# Altium PCB CatsPi-Dev-Board-using-CM4.PcbDoc (part 1 of 2)
Units mm, origin at the board's own origin, x right, y up, seen from the top; angles counter-clockwise.
Board outline 85 x 56 mm, 4 copper layers (Top Layer, GND, Power, Bottom Layer), stack 1.57 mm thick; 86 components, 97 nets, 561 pads, 447 vias.
Unrouted connection lines stored in the file: 3.
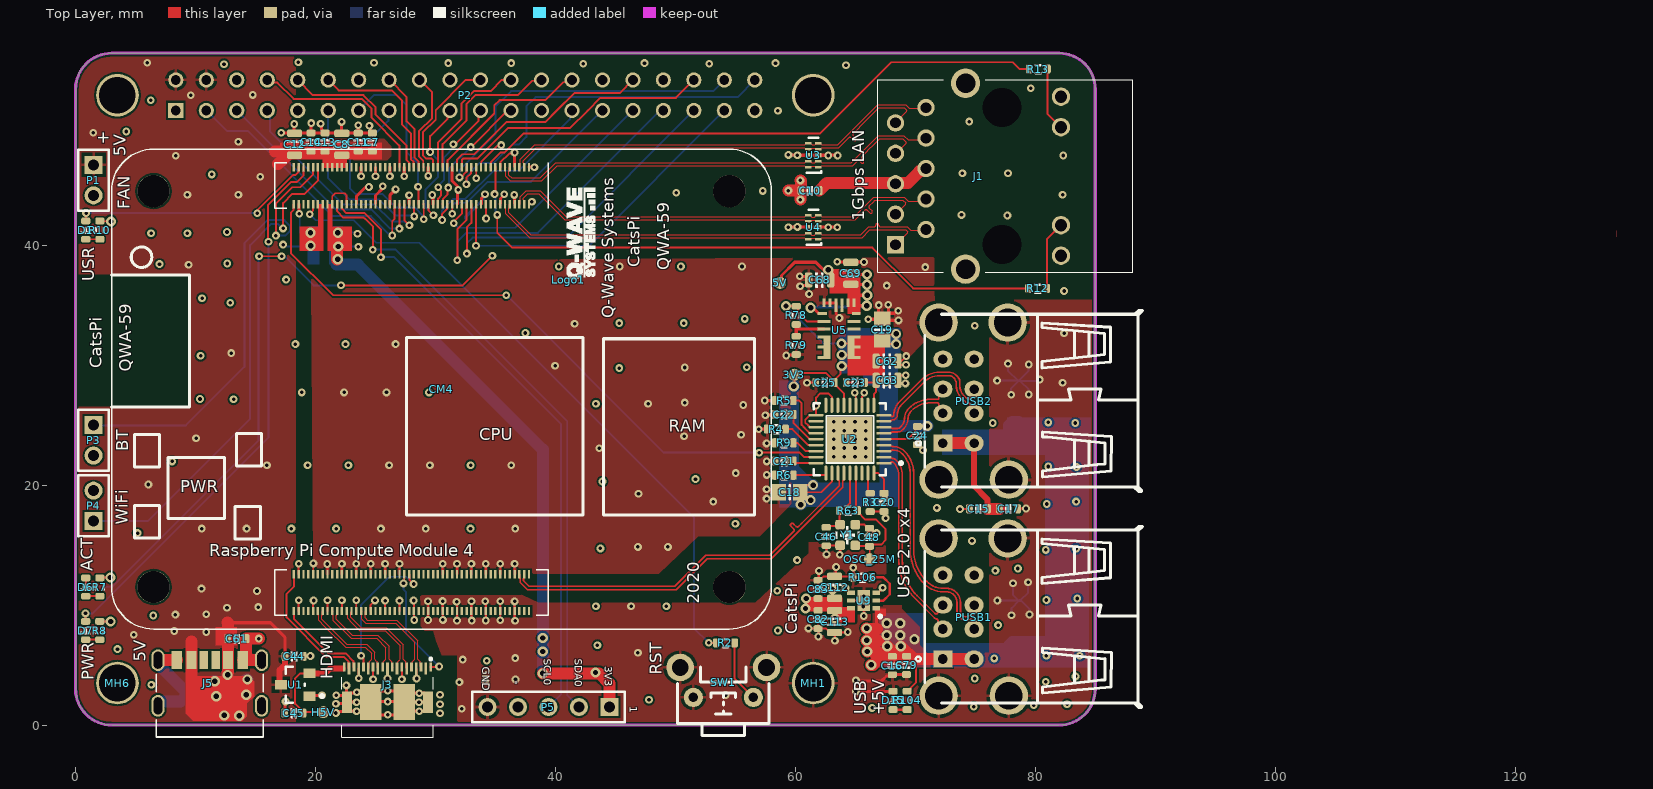
[diagram p0: Top Layer view]
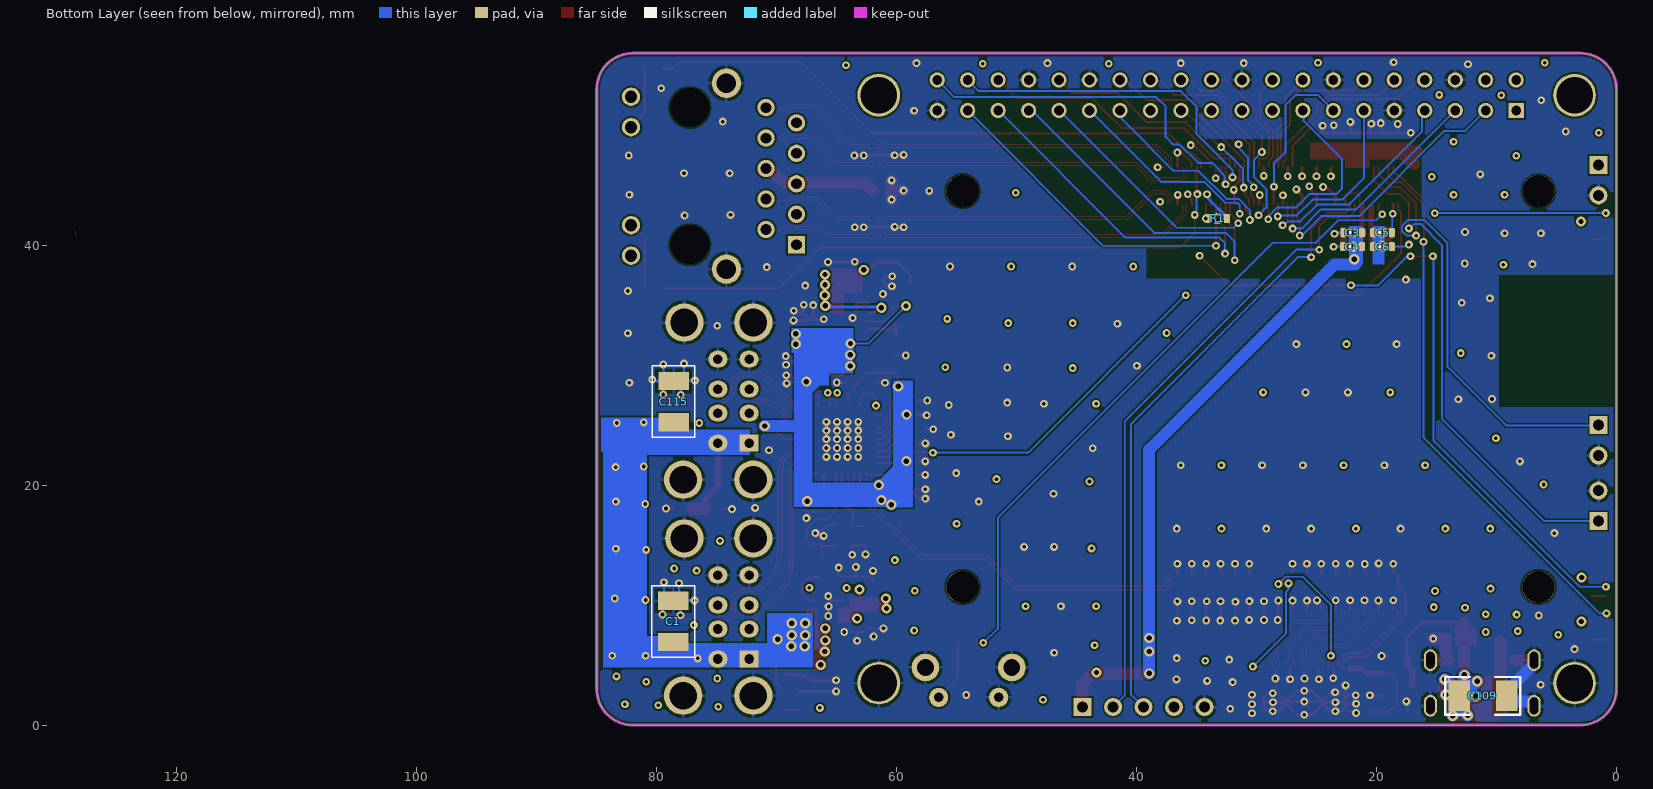
[diagram p1: Bottom Layer view, seen from below]
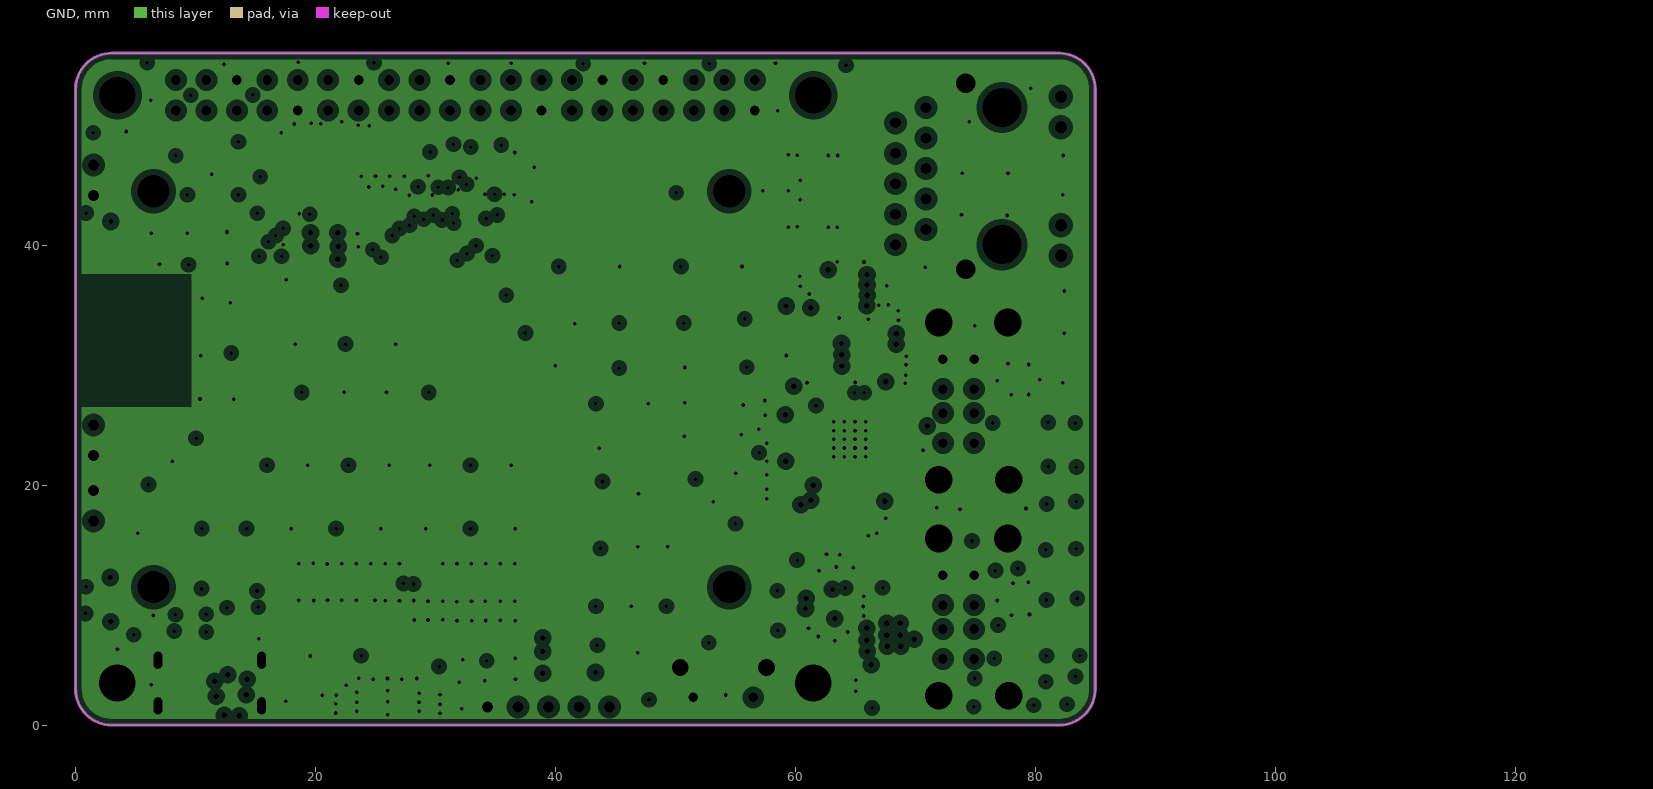
[diagram p2: GND, clearances drawn from the general rule]
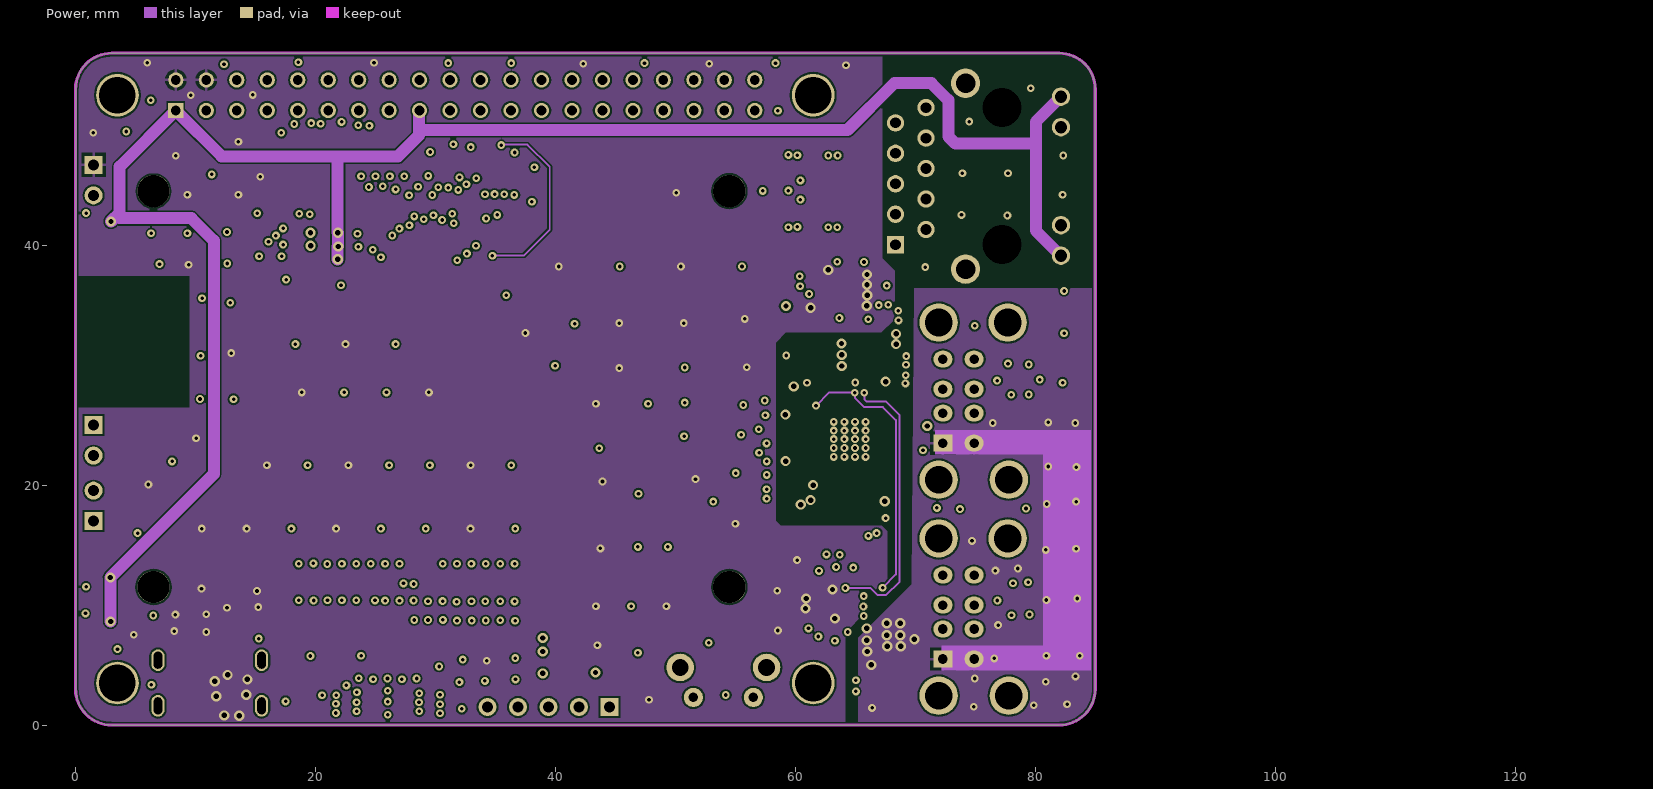
[diagram p3: Power]

## Layer stack, top to bottom
Top Solder: solder mask 0.0127, Solder Resist, Dk 3.8
Top Layer: signal copper 0.035
Dielectric 1: prepreg 0.1, 2313, Dk 4.05
GND: plane copper 0.0175, net GND
Dielectric 2: core 1.265, FR-4, Dk 4.5
Power: signal copper 0.0175
Dielectric 3: prepreg 0.1, 2313, Dk 4.05
Bottom Layer: signal copper 0.035
Bottom Solder: solder mask 0.0127, Solder Resist, Dk 3.8

## Board outline
0,3 ccw(c3,3) 3,0 82,0 ccw(c82,3) 85,3 85,53 ccw(c82,53) 82,56 3,56 ccw(c3,53) 0,53

## Design rules (kind name [scope] priority, off if disabled: settings)
AssemblyTestPointUsage AssemblyTestPointUsage_1 [All] p2:
AssemblyTestpoint AssemblyTestpoint_1 [All] p2: testpointundercomponent=TRUE minsize=1.016 maxsize=2.54 preferedsize=1.524 minholesize=0 maxholesize=1.016 preferedholesize=0.813 testpointgrid=0.025 usegrid=TRUE gridtolerance=0 allowsidetop=TRUE allowsidebottom=TRUE
Clearance [All] p1: gap=0.152 ignorepadtopadclearanceinfootprint=FALSE
ComponentClearance [All] p1 off: gap=0.254 collisioncheckmode=3 verticalgap=0.254 showdistances=FALSE
DiffPairsRouting 90OHM [InDifferentialPairClass('DIFF_90Ohm_USB2.0')] p1: maxlimit=0.152 minlimit=0.152 mostfreqgap=0.152 toplayer_minwidth=0.138 toplayer_maxwidth=0.138 toplayer_prefwidth=0.138 bottomlayer_minwidth=0.138 bottomlayer_maxwidth=0.138 bottomlayer_prefwidth=0.138 impedanceprofiledriven=TRUE impedanceprofileid={43B8B45F-618D-4B7A-8C86-99A90B94EBE0} impedanceprofilevalue=90.000000 maxuncoupledlength=12.7
DiffPairsRouting 100_HDMI [InDifferentialPairClass('DIFF_100Ohm_HDMI')] p2: maxlimit=0.152 minlimit=0.152 mostfreqgap=0.152 toplayer_minwidth=0.104 toplayer_maxwidth=0.104 toplayer_prefwidth=0.104 bottomlayer_minwidth=0.104 bottomlayer_maxwidth=0.104 bottomlayer_prefwidth=0.104 impedanceprofiledriven=TRUE impedanceprofileid={C9B2B623-051E-45FC-BB9A-DCCBFAD97F95} impedanceprofilevalue=100.000000 maxuncoupledlength=12.7
DiffPairsRouting 100_LAN [InDifferentialPairClass('DIFF_100Ohm_GBE')] p3: maxlimit=0.152 minlimit=0.152 mostfreqgap=0.152 toplayer_minwidth=0.104 toplayer_maxwidth=0.104 toplayer_prefwidth=0.104 bottomlayer_minwidth=0.104 bottomlayer_maxwidth=0.104 bottomlayer_prefwidth=0.104 impedanceprofiledriven=TRUE impedanceprofileid={C9B2B623-051E-45FC-BB9A-DCCBFAD97F95} impedanceprofilevalue=100.000000 maxuncoupledlength=12.7
FabricationTestPointUsage FabricationTestPointUsage_1 [All] p2: valid=0 allowmultiple=FALSE
FabricationTestpoint FabricationTestpoint_1 [All] p2: side=3 testpointundercomponent=TRUE minsize=1.016 maxsize=2.54 preferedsize=1.524 minholesize=0 maxholesize=1.016 preferedholesize=0.813 testpointgrid=0.025 allowsidetop=TRUE allowsidebottom=TRUE usegrid=TRUE gridtolerance=0
FanoutControl Fanout_LCC [IsLCC] p1: bgadir=Out bgaviamode=Centered fanoutstyle=Auto fanoutdirection=Alternating viagrid=0.025 // Fanout_LCC (Default Rule)
FanoutControl Fanout_BGA [IsBGA] p2: bgadir=Out bgaviamode=Centered fanoutstyle=Auto fanoutdirection=Alternating viagrid=0.025 // Fanout_BGA (Default Rule)
FanoutControl Fanout_Default [All] p4: bgadir=Out bgaviamode=Centered fanoutstyle=Auto fanoutdirection=Alternating viagrid=0.025 // Fanout_Default (Default Rule)
FanoutControl Fanout_Small [(CompPinCount < 5)] p5: bgadir=Out bgaviamode=Centered fanoutstyle=Auto fanoutdirection=OutThenIn viagrid=0.025 // Fanout_Small (Default Rule)
FanoutControl Fanout_BGA_1 [IsBGA] p6: bgadir=Out bgaviamode=Centered fanoutstyle=Auto fanoutdirection=Alternating viagrid=0.025 // Fanout_BGA (Default Rule)
FanoutControl Fanout_LCC_1 [IsLCC] p7: bgadir=Out bgaviamode=Centered fanoutstyle=Auto fanoutdirection=Alternating viagrid=0.025 // Fanout_LCC (Default Rule)
FanoutControl Fanout_SOIC_1 [IsSOIC] p8: bgadir=Out bgaviamode=Centered fanoutstyle=Auto fanoutdirection=Alternating viagrid=0.025 // Fanout_SOIC (Default Rule)
FanoutControl Fanout_Small_1 [(CompPinCount < 5)] p9: bgadir=Out bgaviamode=Centered fanoutstyle=Auto fanoutdirection=OutThenIn viagrid=0.025 // Fanout_Small (Default Rule)
FanoutControl Fanout_Default_1 [All] p10: bgadir=Out bgaviamode=Centered fanoutstyle=Auto fanoutdirection=Alternating viagrid=0.025 // Fanout_Default (Default Rule)
Height [All] p1 off: minheight=0 maxheight=25.4 prefheight=12.7
Height Height_1 [All] p2 off: minheight=0 maxheight=25.4 prefheight=12.7
HoleSize [All] p1 off: absolutevalues=TRUE maxlimit=2.54 minlimit=0.2 maxpercent=80.000 minpercent=20.000
HoleToHoleClearance [All] p1 off: gap=0.254 allowstackedmicrovias=TRUE
HoleToHoleClearance HoleToHoleClearance_1 [All] p2 off: gap=0.15 allowstackedmicrovias=TRUE
LayerPairs [All] p1 off: enforce=TRUE
LayerPairs LayerPairs_1 [All] p2 off: enforce=TRUE
MatchedLengths HDMI_G [InDifferentialPairClass('DIFF_HDMI')] p1: tolerance=5 checknetsindiffpair=FALSE checkdiffpairvsdiffpair=TRUE checkxsignals=TRUE checkothers=TRUE
MatchedLengths HDMI_W [InDifferentialPairClass('DIFF_HDMI')] p2: tolerance=0.127 checknetsindiffpair=TRUE checkdiffpairvsdiffpair=FALSE checkxsignals=FALSE checkothers=FALSE
MatchedLengths LAN_G [InDifferentialPairClass('DIFF_LAN_GB')] p3: tolerance=5 checknetsindiffpair=FALSE checkdiffpairvsdiffpair=TRUE checkxsignals=TRUE checkothers=TRUE
MatchedLengths LAN_W [InDifferentialPairClass('DIFF_LAN_GB')] p4: tolerance=0.127 checknetsindiffpair=TRUE checkdiffpairvsdiffpair=FALSE checkxsignals=FALSE checkothers=FALSE
MatchedLengths USB [InDifferentialPairClass('DIFF_USB2.0')] p5: tolerance=0.254 checknetsindiffpair=TRUE checkdiffpairvsdiffpair=FALSE checkxsignals=FALSE checkothers=FALSE
MinimumSolderMaskSliver [All] p1 off: minsoldermaskwidth=0.254
MinimumSolderMaskSliver MinimumSolderMaskSliver_1 [All] p2 off: minsoldermaskwidth=0.15
NetAntennae [All] p1 off: netantennaetolerance=0
NetAntennae NetAntennae_1 [All] p2 off: netantennaetolerance=0
PasteMaskExpansion PasteMaskExpansion_1 [All] p2: expansion=0
PlaneClearance [All] p1: clearance=0.508
PlaneConnect [All] p1: planeconnectstyle=Direct reliefexpansion=0.508 reliefentries=4 reliefconductorwidth=0.254 reliefairgap=0.254
PolygonConnect PolygonConnect_Via [IsVia] p1: connectstyle=Direct reliefconductorwidth=0.254 reliefentries=4 polygonreliefangle="90 Angle" airgapwidth=0.254
PolygonConnect [All] p2: connectstyle=Relief reliefconductorwidth=0.254 reliefentries=4 polygonreliefangle="90 Angle" airgapwidth=0.254
RoutingVias RoutingVias_PWR [InNetClass('Power')] p1: holewidth=0.45 width=0.85 viastyle="Through Hole" minholewidth=0.254 minwidth=0.508 maxholewidth=0.508 maxwidth=1
RoutingVias RoutingVias_All [All] p2: holewidth=0.3 width=0.65 viastyle="Through Hole" minholewidth=0.254 minwidth=0.508 maxholewidth=0.508 maxwidth=0.762
SilkToBoardRegionClearance SilkToBoardRegionClearance_1 [All] p2:
SilkToSilkClearance [All] p1 off: silktosilkclearance=0.254
SilkToSilkClearance SilkToSilkClearance_1 [All] p2 off: silktosilkclearance=0.15
SilkToSolderMaskClearance [IsPad] p1 off: minsilkscreentomaskgap=0.254 clearancetoexposedcopper=TRUE
SilkToSolderMaskClearance SilkToSolderMaskClearance_1 [IsPad] p2 off: minsilkscreentomaskgap=0.15 clearancetoexposedcopper=TRUE
SolderMaskExpansion isvia [IsVia] p1: expansion=0.102 istentingtop=TRUE
SolderMaskExpansion [All] p2: expansion=0.102 istentingtop=FALSE
Width Width_PWR [All] p1: maxlimit=1 minlimit=0.16 preferedwidth=0.254
Width [All] p2: maxlimit=0.159 minlimit=0.159 preferedwidth=0.159 impedanceprofiledriven=TRUE impedanceprofileid={2C1F5527-F574-45FE-BC59-4EC9B492E4AE} impedanceprofilevalue=50.000000 minimp=50.000000 maximp=50.000000 favimp=50.000000
14 further rules are at their usual default settings.

## Classes and differential pairs
component class "WiFi BT ON OF": P3 P4
component class Unuse: R1
component class "Reset SW": R2 SW1
differential pair class DIFF_USB2.0: USB2 USBA_2D USBA_3D USBA_4D USBA_5D
net class USB2.0_480Mbps: USB2_N USB2_P USBA_2D_N USBA_2D_P USBA_3D_N USBA_3D_P USBA_4D_N USBA_4D_P USBA_5D_N USBA_5D_P
component class LEDs: D1 D6 D7 R7 R8 R10
component class "USB Hub": C18 C19 C20 C21 C22 C23 C24 C25 C46 C48 OSC_25M R3 R4 R5 R6 R9 R63 U2 Y1
differential pair class DIFF_LAN_GB: TRD0 TRD1 TRD2 TRD3
differential pair class DIFF_100Ohm_GBE: TRD0 TRD1 TRD2 TRD3
net class GBE_1Gbps: TRD0_N TRD0_P TRD1_N TRD1_P TRD2_N TRD2_P TRD3_N TRD3_P
differential pair class DIFF_HDMI: HDMI0_CLK HDMI0_TX0 HDMI0_TX1 HDMI0_TX2
differential pair class DIFF_100Ohm_HDMI: HDMI0_CLK HDMI0_TX0 HDMI0_TX1 HDMI0_TX2
net class HDMI_18Gbps: HDMI0_CLK_N HDMI0_CLK_P HDMI0_TX0_N HDMI0_TX0_P HDMI0_TX1_N HDMI0_TX1_P HDMI0_TX2_N HDMI0_TX2_P
component class USB: C1 C15 C16 C17 C79 C82 C83 C112 C113 C115 D15 PUSB1 PUSB2 R104 R106 U9
differential pair class DIFF_90Ohm_USB2.0: USB2 USBA_2D USBA_3D USBA_4D USBA_5D USBA_D_CON
net class Power: 1V8_CM4 3V3 3V3_CM4 5V 5V_USB H5V
component class Power: 3V3 5V C3 C4 C5 C6 C7 C8 C11 C12 C13 C14 C61 C62 C63 C68 C69 C109 J5 P1 R78 R79 U5
component class LAN: C10 J1 R12 R13 U3 U4
component class HDMI: C44 C45 H5V J3 U1
component class "CAM1 Connector": CM4 Logo1 MH1 MH6 P2 P5
differential pair USBA_4D: +USBA_4D_P -USBA_4D_N
differential pair USBA_5D: +USBA_5D_P -USBA_5D_N
differential pair USB2: +USB2_P -USB2_N
differential pair TRD3: +TRD3_P -TRD3_N
differential pair TRD2: +TRD2_P -TRD2_N
differential pair TRD1: +TRD1_P -TRD1_N
differential pair TRD0: +TRD0_P -TRD0_N
differential pair HDMI0_TX2: +HDMI0_TX2_P -HDMI0_TX2_N
differential pair HDMI0_TX1: +HDMI0_TX1_P -HDMI0_TX1_N
differential pair HDMI0_TX0: +HDMI0_TX0_P -HDMI0_TX0_N
differential pair HDMI0_CLK: +HDMI0_CLK_P -HDMI0_CLK_N
differential pair USBA_3D: +USBA_3D_P -USBA_3D_N
differential pair USBA_2D: +USBA_2D_P -USBA_2D_N

## Components (designator, comment, footprint, x,y, rotation, side; value= is the part's Value field where it differs from the comment)
3V3 "3V3" TEST_POINT 59.925,29.2 r90 top locked
5V "5V" TEST_POINT 58.725,36.85 r180 top locked
C1 "47uF 16V" 1210C-GENERIC 78.625,10.354 r270 bottom locked value=47uF
C3 "1µF" CAP_0603 21.98,41.039 r180 bottom locked
C4 "0.1µF" CAP_0603 21.988,39.875 r0 bottom locked
C5 "0.1µF" CAP_0603 19.491,41.039 r180 bottom locked
C6 "1µF" CAP_0603 19.499,39.875 r0 bottom locked
C7 "1µF" CAP_0603 24.74,48.586 r270 top locked
C8 "4.7uF" CAP_0805 22.19,48.411 r90 top locked
C10 "0.1uF" CAP_0603 61.225,44.55 r0 top locked
C11 "0.1µF" CAP_0603 23.565,48.586 r90 top locked
C12 "4.7uF" CAP_0805 18.255,48.412 r90 top locked
C13 "1µF" CAP_0603 20.801,48.589 r270 top locked
C14 "0.1µF" CAP_0603 19.626,48.589 r90 top locked
C15 "1µF" CAP_0603 75.275,18.025 r0 top locked
C16 "1µF" CAP_0603 68.095,4.959 r90 top locked
C17 "0.1µF" CAP_0603 77.775,18.025 r180 top locked
C18 "4.7uF" 6-0805_N 59.525,19.4 r0 top locked
C19 "4.7uF" 6-0805_N 67.25,32.95 r270 top locked
C20 "0.1uF" CAP_0603 67.394,18.559 r90 top locked
C21 "0.1uF" CAP_0603 59.075,22 r0 top locked
C22 "0.1uF" CAP_0603 59.075,25.874 r0 top locked
C23 "0.1uF" CAP_0603 65,28.55 r0 top locked
C24 "0.1uF" CAP_0603 70.175,24.125 r90 top locked
C25 "0.1uF" CAP_0603 62.475,28.55 r0 top locked
C44 "0.1uF" CAP_0603 18.225,5.725 r180 top locked
C45 "0.1uF" CAP_0603 18.2,1 r0 top locked
C46 "33pF" CAP_0603 62.575,15.713 r270 top locked
C48 "33pF" CAP_0603 66.175,15.65 r270 top locked
C61 "0.1uF" CAP_0603 13.45,7.2 r0 top locked
C62 "22uF 10V Ceramic" CAP_0805 67.65,30.335 r0 top locked
C63 "22uF 10V Ceramic" CAP_0805 67.65,28.735 r0 top locked
C68 "4.7uF 16V" CAP_0805 62.025,37.1 r180 top locked
C69 "4.7uF 16V" CAP_0805 64.625,37.65 r90 top locked
C79 "0.1µF" CAP_0603 69.276,4.973 r90 top locked
C82 "1µF" CAP_0603 61.9,8.8 r90 top locked
C83 "0.1uF" CAP_0603 61.9,11.3 r270 top locked
C109 "47uF 16V (1210)" "C 1210" 11.125,2.425 r180 bottom locked
C112 "4.7uF 16V" CAP_0805 63.275,11.475 r90 top locked
C113 "4.7uF 16V" CAP_0805 63.275,8.625 r270 top locked
C115 "47uF 16V" 1210C-GENERIC 78.6,28.675 r270 bottom locked value=47uF
CM4 "Raspberry Pi Compute Module 4" CM4-F40C-100DS-0.4v_1.5mm_0mm 30.5,28 r90 top locked
D1 "GREEN" LED_0603_BLUE 0.85,41.255 r90 top locked value=color?
D6 "GREEN" LED_0603_BLUE 0.85,11.5 r90 top locked value=color?
D7 "GREEN" LED_0603_BLUE 0.844,7.875 r90 top locked value=color?
D15 "GREEN" LED_0603_GREEN 68.147,2.05 r90 top locked value=color?
H5V "H5V" TEST_POINT 20.65,1.075 r90 top locked
J1 "48F-01GY2DPL2NL" 48F-01GY2DPL2NL 68.349,40.035 r270 top locked
J3 "PKS019-4011-0 micro HDMI SMD" PKS01940110 26,-1 r0 top locked
J5 "TYPE-C 6 Pin" TYPE-C-31-M-17 11,3.5 r0 top locked
Logo1 "CameraBoard_36x36mm" Qwave_Logo1 41.075,37.1 r90 top locked
MH1 "M3" MH3-4 61.489,3.5 r0 top locked
MH6 "M3" MH3-4 3.489,3.5 r0 top locked
OSC_25M "OSC_25M" TEST_POINT 66.2,13.825 r90 top locked
P1 "Header 2" HDR1X2 1.5,46.69 r270 top locked
P2 "MHDR2X20" "HDR2X20_2.54_180 - 2 Hole" 8.359,51.23 r180 top locked
P3 "Header 2" HDR1X2 1.5,25 r270 top locked
P4 "Header 2" HDR1X2 1.5,17 r90 top locked
P5 "Header 5" HDR1X5 44.5,1.5 r180 top locked
PUSB1 "CONN_USB_A_X2" USB_A_REC_RA_X2 73.6,9 r270 top locked
PUSB2 "CONN_USB_A_X2" USB_A_REC_RA_X2 73.6,27 r270 top locked
R1 "0R" RES_0603 33.25,42.225 r180 bottom locked
R2 "220R" RES_0603 54.175,6.85 r0 top locked
R3 "12K 1%" RES_0603 66.244,18.559 r270 top locked
R4 "36K 1%" RES_0603 58.425,24.675 r180 top locked
R5 "36K 1%" RES_0603 59.075,27.05 r180 top locked
R6 "36K 1%" RES_0603 59.075,20.825 r180 top locked
R7 "470R" RES_0603 2.025,11.5 r90 top locked
R8 "470R" RES_0603 2.019,7.875 r90 top locked
R9 "36K 1%" RES_0603 59.075,23.524 r180 top locked
R10 "470R" RES_0603 2.025,41.255 r90 top locked
R12 "470R" RES_0603 80.2,36.4 r0 top locked
R13 "470R" RES_0603 80.25,54.675 r0 top locked
R63 "1M" RES_0603 64.422,17.879 r0 top locked
R78 "200K 1%" RES_0603 60.075,34.148 r90 top locked